# Altium PCB MB1312.PcbDoc (part 4 of 4)
Units mil, origin at the board's own origin, x right, y up, seen from the top; angles counter-clockwise.
Board outline 2755.91 x 5249.6 mil, 6 copper layers (Top Layer, GND, Signal, PWR, GND (Mid2), Bottom Layer), stack 74.545 mil thick; 297 components, 280 nets, 1142 pads, 623 vias.
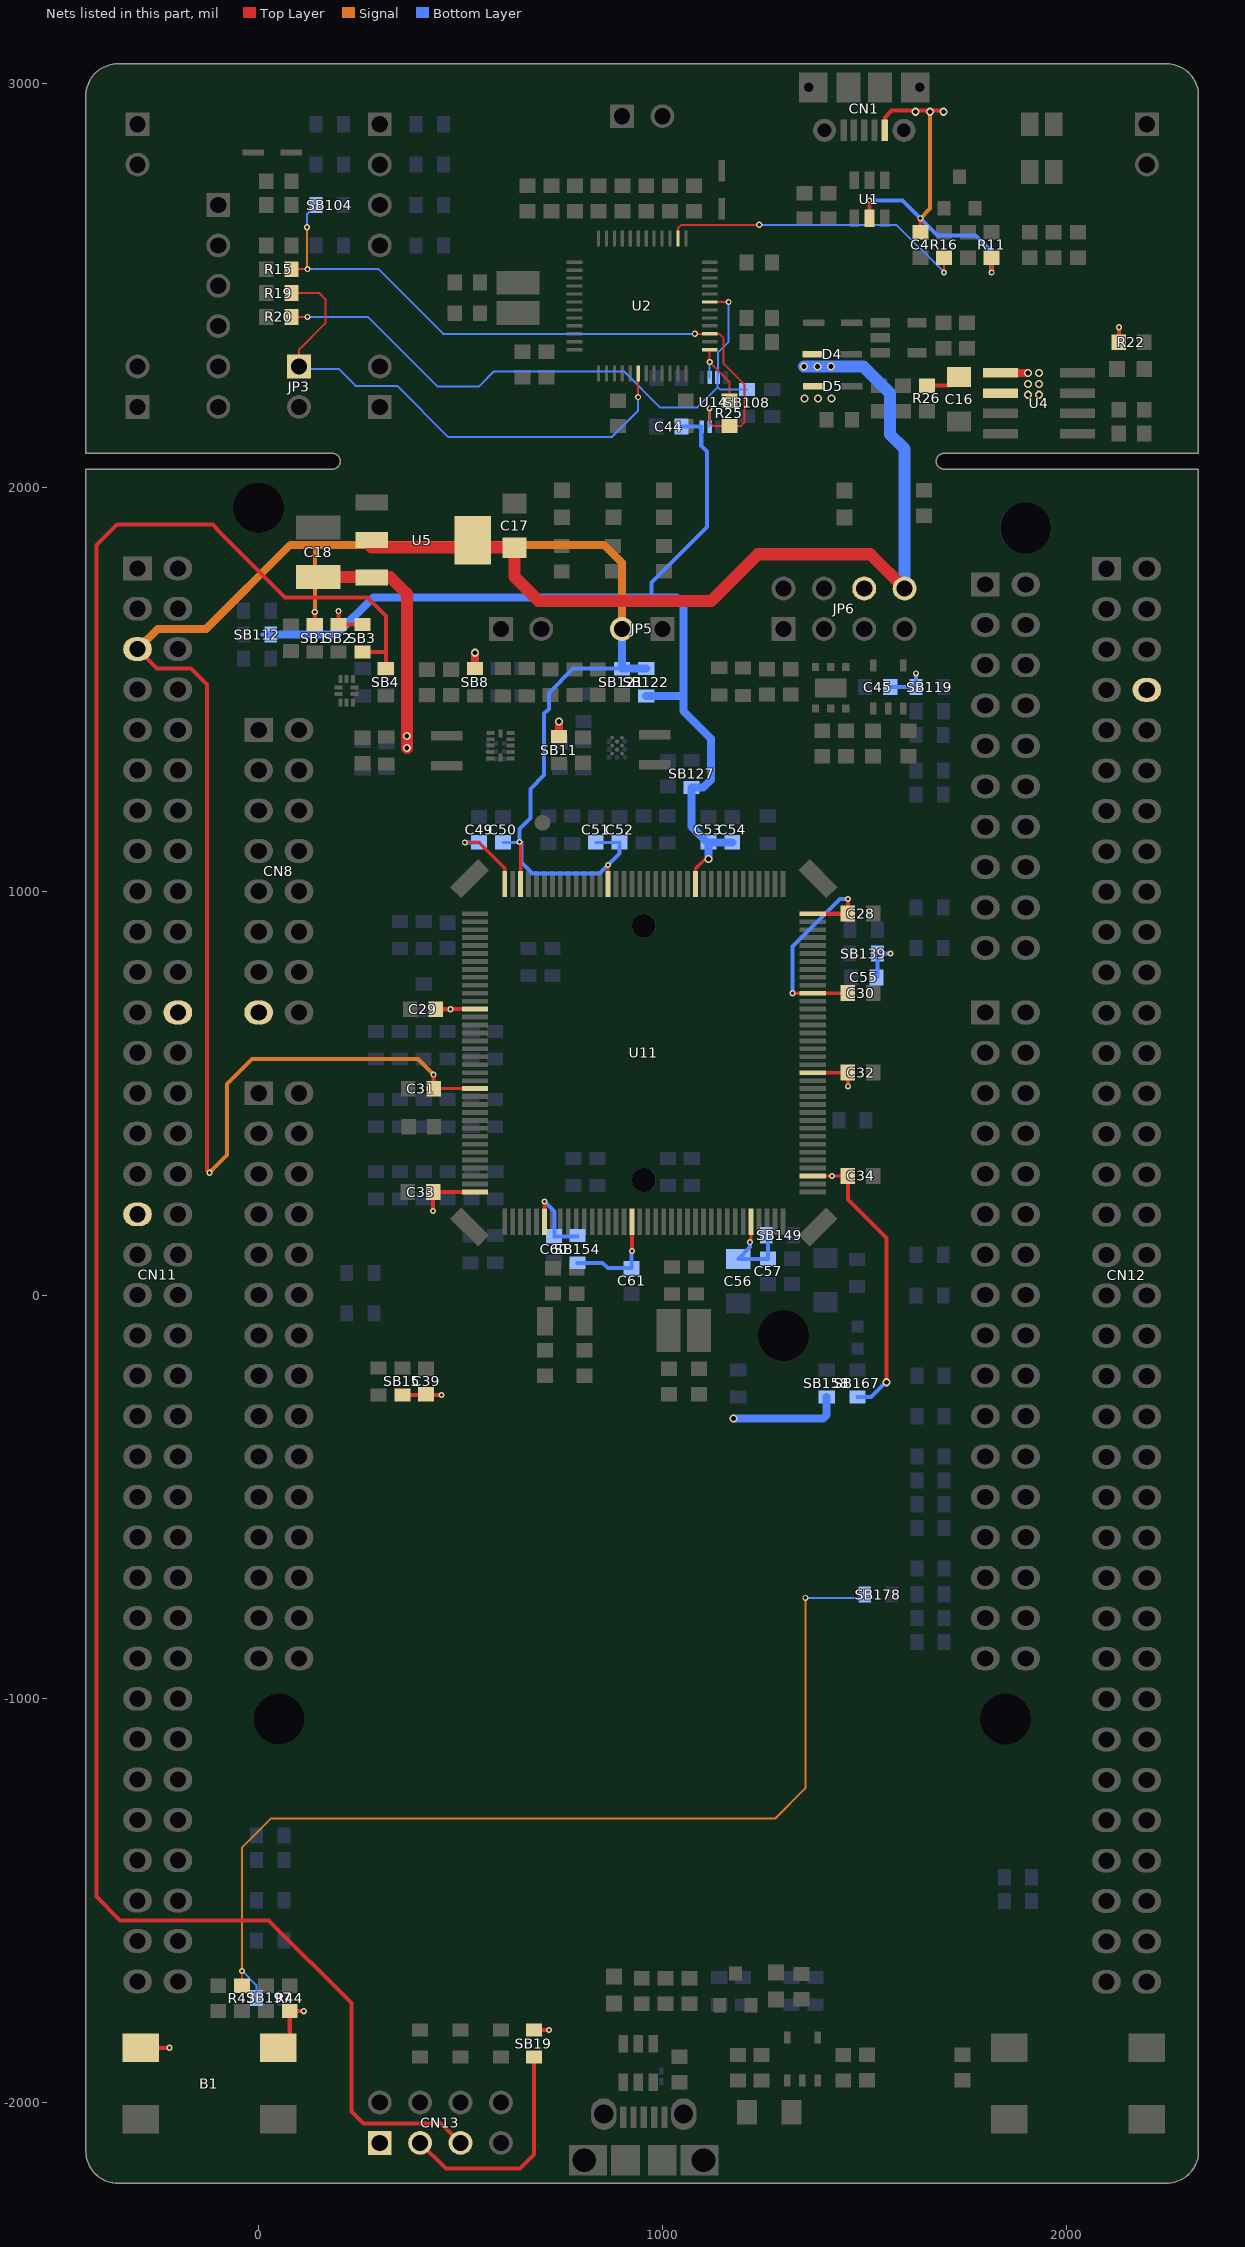
[diagram p8: the nets of this part, all layers, seen from the top]

## Via types
v1: diameter 15, hole 8, Top Layer to Bottom Layer, tented both sides, 405 vias
v2: diameter 16, hole 8, Top Layer to Bottom Layer, tented both sides, 179 vias
v3: diameter 20, hole 12, Top Layer to Bottom Layer, tented both sides, 39 vias

## Nets (pads, with @x,y where several pads share a name; then routed paths per layer and width w, separated by ;. In a path a pad name is that pad's centre, name@x,y a point inside that pad or via, vN(x,y) a via of type N, cw(c..) or ccw(c..) an arc to the next point about the centre after c; other vN are vias at no path point) (continued)
T_JTMS: R15.2 R25.2 SB104.1 U2.27 U14.7 | length 1711.1
  Top Layer w5: R15.2@81.5,2541 v1(121,2541) ; v1@1080.25,2381 v1(1080.35,2381.1) U2.27@1117.32,2381.1 1140.9,2381.1 1151,2371 1151,2308 1203,2256 1203,2161.47 1194.03,2152.5 R25.2@1166,2152.5 1126.5,2152.5 1117,2162 v1(1117,2196)
  Signal w5: v1@120,2542 v1(120,2645)
  Bottom Layer w5: v1(120,2645) 120,2677.75 SB104.1@142.25,2700 ; v1(121,2541) 297,2541 456.9,2381.1 v1(1080.35,2381.1) ; v1(1117,2196) 1117.16,2195.84 U14.7@1117.16,2150.98
T_NRST: JP3.1 R19.2 U2.18 | length 1318.5
  Top Layer w5: R19.2@81.5,2482 150,2482 165,2467 165,2407 100,2342 JP3.1@100,2300 ; v1(940,2224) 940.16,2224.16 U2.18@940.16,2282.68
  Bottom Layer w5: JP3.1@100,2300 100,2294.3 198.22,2294.3 240.37,2252.15 342.85,2252.15 470,2125 874,2125 940,2191 v1(940,2224)
T_SWDIO_IN: R25.1 U2.25 U14.2 | length 184.4
  Top Layer w5: U2.25@1117.32,2341.73 v1(1117.32,2310.97) 1166,2262.3 R25.1@1166,2215.5
  Bottom Layer w5: U14.2@1117.16,2273.02 1117.16,2310.81 v1(1117.32,2310.97)
T_SWO: R20.2 SB108.2 U2.31 U14.3 | length 1543.9
  Top Layer w5: R20.2@81.5,2423 v1(121,2423) ; U2.31@1117.32,2459.84 v1(1164.16,2459.84)
  Bottom Layer w5: v1(121,2423) 270.69,2423 442.69,2251 546,2251 583,2288 905,2288 994,2199 1086.84,2199 1136.84,2249 ; v1(1164.16,2459.84) 1164.16,2361.16 1137.32,2334.32 1137.32,2273.5 U14.3@1136.84,2273.02 1136.84,2249 ; SB108.2@1210,2243.5 1142.34,2243.5 1136.84,2249
U5V: C4.2 C16.1 CN1.1 CN12.8 D5.1 JP6.6 R11.2 R22.1 R26.1 U1.5 U4.1 U4.2 | length 1171.5
  Top Layer w10: U1.5@1513,2666.76 v1(1513,2711) ; CN1.1@1551.18,2885 1551.18,2917.18 1568,2934 v3@1696,2934 ; C4.2@1639,2632.5 v1(1639,2667) ; R26.1@1655,2252.5 1713.5,2252.5 C16.1@1735,2274 ; v1(1815.7,2533) R11.2@1815.7,2569.5 ; R22.1@2130.5,2360 v2@2130.5,2396.5
  Top Layer w20: U4.1@1837.53,2284 v3@1905.25,2284
  Signal w10: v1(1639,2667) 1663,2691 v3(1663,2931)
  Bottom Layer w10: v1(1513,2711) 1595,2711 v1(1639,2667) 1681,2625 1775,2625 1815.7,2584.3 v1@1815.7,2537.3 ; v3(1696,2931) v3@1696,2934
  other v2: 2131,2397
  other v3: 1352,2221 1385.5,2221 1419,2221 1906,2230 1933,2230 1906,2257 1933,2257 1906,2284 1933,2284 1627,2931
USB_RENUMN: R16.2 U2.38 | length 773.2
  Top Layer w5: U2.38@1038.58,2617.32 1038.58,2642.58 1047,2651 v2(1239.75,2651) ; v1(1697.7,2533) R16.2@1697.7,2569.5
  Bottom Layer w5: v2(1239.75,2651) 1579.7,2651 v1(1697.7,2533)
USR_BUT: R43.2 SB178.1 SB197.2 | length 2517.6
  Top Layer w5: R43.2@-41,-1710.5 v1(-41,-1674)
  Signal w5: v1(-41,-1674) -41,-1368 30,-1297 1279.06,-1297 1354.06,-1222 v1(1354.06,-750)
  Bottom Layer w5: v1(-41,-1674) -5.75,-1709.25 SB197.2@-5.75,-1741 ; v1(1354.06,-750) 1520,-750
VBAT: C60.1 CN11.33 SB154.2 U11.6 | length 204.2
  Top Layer w10: U11.6@707.94,181.69 v1(707.94,231.94)
  Bottom Layer w10: v1(707.94,231.94) 733.25,206.62 733.25,145.25 SB154.2@790,145.25
VDD: C31.1 C50.1 C51.1 C52.1 CN11.5 CN13.1 JP5.2 SB1.2 SB8.2 SB121.1 SB122.1 SB158.1 U11.95 U11.106 U11.131 | length 5734.1
  Top Layer w8: C31.1@434.08,511.42 U11.131@535.69,511.42 ; v1(646,1122) 649.48,1118.52 U11.106@649.48,1018.91 ; U11.106@648.2,1020.19 U11.106@649.48,1018.91 ; U11.106@648.88,1018.31 U11.106@649.48,1018.91 ; U11.95@865.42,1018.31 v1(865.42,1065.58)
  Top Layer w10: CN11.5@-300,1600 -251.5,1551.5 -167,1551.5 -128,1512.5 -128,309 v1(-122,303) ; SB1.2@139,1660.75 v1(139,1691.75) ; v1@433,546.01 433.5,546.5 C31.1@433.5,511 ; U11.131@535.11,512 U11.131@535.69,511.42
  Top Layer w20: SB8.2@536,1551.5 v3(536,1591)
  Signal w10: v1@-122,300 v1(-122,303) -78,347 -78,523 -16.55,584.45 394.55,584.45 v1(433,546) ; v1(139,1691.75) 139,1856.12
  Signal w20: CN11.5@-300,1600 -250,1650 -130,1650 78.4,1858.4 855.6,1858.4 900,1814 JP5.2@900,1650
  Bottom Layer w8: C50.1@605,1121.25 v1@649.48,1121.25 ; C51.1@835,1121.25 C52.1@894,1121.25
  Bottom Layer w10: C52.1@894,1121.25 894,1094.17 v1(865.42,1065.58) 844.33,1044.5 677.92,1044.5 650.48,1071.94 650.48,1120.52 649,1122 v1(646,1122) 646,1155 673,1182 673,1253.81 707,1287.81 707,1440 719,1452 719,1491.75 779,1551.75 SB121.1@899.79,1551.75 SB121.1@900.21,1551.75
  Bottom Layer w20: JP5.2@900,1650 900,1551.96 900.21,1551.75 SB122.1@960,1551.75 ; v3(1176,-306.03) 1397.97,-306.03 1407,-297 SB158.1@1407,-252.75
VDD_1V2: C39.2 C55.2 SB2.2 SB3.1 SB11.2 SB15.2 SB139.2 | length 318.4
  Top Layer w10: SB2.2@197.77,1660.81 v1@197.77,1693.87 ; SB2.2@197.83,1660.75 SB3.1@257,1660.75 ; SB15.2@356,-247.75 v1(453,-247.75)
  Top Layer w20: SB11.2@744,1383.75 v3(744,1421)
  Bottom Layer w10: C55.2@1530.5,787 1532.75,789.25 SB139.2@1532.75,846 v1(1564.75,846)
  other v1: 197.83,1693.92
VDD_MCU: B1.2 B1.3 C28.1 C29.1 C30.1 C32.1 C33.1 C34.1 C44.1 C49.1 C53.1 C54.1 C61.1 R44.1 SB19.2 SB112.1 SB122.2 SB127.2 SB154.1 SB167.1 U11.17 U11.39 U11.52 U11.62 U11.72 U11.84 U11.108 U11.121 U11.144 U14.8 | length 4914.8
  Top Layer w8: v1(510.57,1121.25) 545.53,1121.25 609.51,1057.27 U11.108@609.51,1018.31 ; U11.84@1081.95,1018.31 1081.95,1056.33 1105.62,1080 v3(1114,1080) ; v1(1322.26,747.64) U11.62@1372.31,747.64 C30.1@1459.14,747.64 ; U11.39@1372.31,294.88 v1(1419.88,294.88) ; U11.52@1372.31,550.79 C32.1@1459.29,550.79 ; v1@1419.88,295 C34.1@1459.5,295
  Top Layer w10: B1.2@-292.28,-1864.42 v1(-220.58,-1864.42) ; B1.3@48.28,-1864.42 77,-1835.69 R44.1@77,-1773.5 v2(111.5,-1773.5) ; v1(432,208) 432,254.5 C33.1@432.5,255 433.01,255.51 U11.144@535.69,255.51 ; C29.1@438.5,708 v1(475,708) ; v1@475,708.27 U11.121@535.69,708.27 ; SB19.2@682,-1820.25 v1(719.05,-1820.25) ; v1(924.47,109) U11.17@924.47,181.69 ; U11.72@1372.31,944.49 1455.98,944.49 1458,946.5 C28.1@1459.5,945 v1(1459.5,981) ; C30.1@1459.14,747.64 C30.1@1459.5,748 ; C32.1@1459.29,550.79 C32.1@1459.5,551 1460,550.5 v1(1460,517) ; C34.1@1459.5,295 1459.5,236.5 1555,141 1555,-16 v3(1555,-216)
  Bottom Layer w10: 10,1636 SB112.1@30,1636 ; v1(510.57,1121.25) C49.1@546,1121.25 ; SB154.1@790,80 852,80 865.5,66.5 C61.1@924,66.5 924,108.53 v1(924.47,109) ; 973,1728 973,1765 1110,1902 1110,2090 1096.25,2103.75 1096.25,2150.98 C44.1@1047.5,2151 ; v1(1322.26,747.64) 1322.26,863.01 1440.25,981 v1(1459.5,981) ; SB167.1@1483,-252.75 1516.25,-252.75 1553,-216 v3(1555,-216)
  Bottom Layer w20: SB112.1@30,1636 192,1636 284,1728 973,1728 1035,1728 1052,1711 1052,1446.16 1120,1378.16 1120,1276 1101.31,1257.31 SB127.2@1072.47,1257.31 ; SB122.2@960,1484.25 1050,1484.25 ; SB127.2@1072,1248.5 1072,1160.56 1111.31,1121.25 C53.1@1114,1121.25 ; v3(1114,1080) C53.1@1114,1121.25 ; C54.1@1173,1121.25 C53.1@1114,1121.25
VIN: C18.1 CN8.15 CN11.24 U5.3 | length 618.4
  Top Layer w30: C18.1@148,1778.98 325.02,1778.98 367,1737 v3(367,1355)
  other v3: 367,1385
VIN_5V: C17.1 D4.1 JP6.8 U5.2 U5.4 | length 2239.9
  Top Layer w30: U5.2@280,1852 633,1852 C17.1@634,1851 634,1778.47 693.47,1719 1121,1719 1237,1835 1515,1835 JP6.8@1600,1750
  Bottom Layer w30: v3(1351,2300) v3(1384.5,2300) v3(1418,2300) 1497.71,2300 1563.5,2234.21 1563.5,2132.25 1600,2095.75 JP6.8@1600,1750
VOUTCORE: CN13.5 SB3.2 SB4.2 | length 5679.8
  Top Layer w10: SB3.2@257,1593.25 314.75,1593.25 ; SB4.2@315,1551.5 315,1682 269,1728 65,1728 -103.29,1896.29 -103.29,1897.85 -113.54,1908.1 -351.25,1908.1 -402,1857.35 -402,-1490 -343,-1549 25,-1549 230,-1754 230,-2022 260,-2052 452,-2052 CN13.5@500,-2100
VOUTVDD: CN13.3 SB19.1 | length 564.3
  Top Layer w10: CN13.3@400,-2100 464,-2164 647,-2164 682,-2129 SB19.1@682,-1887.75
VREF+: C45.1 C56.1 C57.1 SB119.1 SB149.2 U11.32 | length 337.6
  Top Layer w8: v1(1217,131) 1219.75,133.75 U11.32@1219.75,181.69
  Bottom Layer w10: v1(1217,131) 1217,118.5 C56.1@1188,89.5 1261.5,89.5 1261.5,143.75 SB149.2@1257.25,148 ; C45.1@1564.75,1506 SB119.1@1628.5,1506 1628.5,1539.5 v1(1628,1540) v1@1628.39,1540.39
pads on no net: CN8.1 CN11.10 CN11.26 CN11.67 U2.4 U2.11 U2.14 U2.19 U2.21 U2.22 U2.40 U2.41 U2.42 U2.43 U2.45 U2.46 U6.3 U6.5 U7.1 U7.6 U10.E1 U11.0 U16.C1
copper on no net:
  other v1: 1115.9,2629

## Polygon pours and split planes (outlines as drawn)
GND on Top Layer "GND" (solid, remove dead copper, pour order 268): -430.95,-2118.26 ccw(c-352.21,-2118.26) -352.21,-2197 -352.21,-2197.04 45,-2197.04 1040.41,-2197.04 2246.06,-2197.04 ccw(c2246.06,-2118.3) 2324.8,-2118.3 2324.8,-2118.1 2324.95,-2118.1 2324.95,2973.87 ccw(c2246.21,2973.87) 2246.21,3052.61 -352.21,3052.61 ccw(c-352.21,2973.87) -430.95,2973.87 -430.95,-2118.26
NetL1_1 on Top Layer "NETL301" (solid, remove dead copper, pour order 248): 567,1366.69 583.36,1366.69 cw(c583.36,1364.05) 586,1364.05 586,1357.21 cw(c584.96,1357.21) 584.96,1356.17 517.25,1356.17 cw(c517.25,1361.25) 512.17,1361.25 512.17,1364.83 ccw(c504,1364.83) 504,1373 399.17,1373 cw(c399.17,1382) 390.17,1382 390.17,1414.76 cw(c396.41,1414.76) 396.41,1421 501.98,1421 cw(c501.98,1417.53) 505.45,1417.53 505.45,1398.64 ccw(c506.85,1398.64) 506.85,1397.24 551,1366.69
NetC21_2 on Top Layer "NETL308" (solid, remove dead copper, pour order 246): 253,1335 346,1335 cw(c346,1331) 350,1331 ccw(c359,1331) 359,1322 435,1322 550.18,1322 ccw(c550.18,1329) 557.18,1329 cw(c562.18,1329) 562.18,1334 566,1334 579.96,1334 cw(c579.96,1329) 584.96,1329 584.96,1286.96 cw(c573,1286.96) 573,1275 245,1275 cw(c245,1287) 233,1287 233,1329.17 cw(c238.83,1329.17) 238.83,1335
NetC22_2 on Top Layer "NETL306" (solid, remove dead copper, pour order 242): 400,1504 488.73,1504 546,1504 cw(c546,1494) 556,1494 556,1389 ccw(c563,1389) 563,1382 583,1382 cw(c583,1379) 586,1379 586,1373.05 cw(c583.95,1373.05) 583.95,1371 556,1371 556,1371.24 555.27,1371.97 551,1371.97 544.23,1371.97 520.36,1395.85 512.53,1403.67 512.53,1410 512.25,1410 512.25,1424 512.25,1459 ccw(c508.24,1459) 508.24,1463.01 402.99,1463.01 cw(c402.99,1471) 395,1471 395,1503 cw(c396,1503) 396,1504
NetL1_1 on Top Layer "NETL301" (solid, remove dead copper, pour order 240): 584.2,1365.85 cw(c584.2,1364.05) 586,1364.05 586,1362 586,1357.82 cw(c584.18,1357.82) 584.18,1356 531.71,1356 cw(c531.71,1361) 526.71,1361 ccw(c514.82,1361) 514.82,1372.89 509,1372.89 396.32,1372.89 cw(c396.32,1379.21) 390,1379.21 390,1413 cw(c398,1413) 398,1421 500,1421 cw(c500,1415) 506,1415 506,1400.04 ccw(c511.04,1400.04) 511.04,1395 550,1365.85
NetC46_2 on Top Layer "SB368" (solid, remove dead copper, pour order 236): 594.54,1344.39 604.37,1344.39 cw(c604.37,1340.99) 607.76,1340.99 607.76,1312.18 ccw(c613.83,1312.18) 613.83,1306.12 694.12,1306.12 ccw(c694.12,1312) 700,1312 700,1331.24 cw(c705.01,1331.24) 705.01,1336.25 763.16,1336.25 cw(c763.16,1331.41) 768,1331.41 768,1293.5 cw(c757.83,1293.5) 757.83,1283.33 598.88,1283.33 cw(c598.88,1290.21) 592,1290.21 592,1341.86 cw(c594.54,1341.86) 594.54,1344.39
NetC24_1 on Top Layer "304" (solid, remove dead copper, pour order 204): 820,1506.75 cw(c822.25,1506.75) 822.25,1509 908.79,1509 919.74,1509 cw(c919.74,1504) 924.74,1504 924.74,1459.49 cw(c921.25,1459.49) 921.25,1456 918.18,1456 ccw(c918.18,1450) 912.18,1450 912.18,1389.18 cw(c888,1389.18) 888,1365 887,1365 cw(c887,1371) 881,1371 881,1448.26 ccw(c870.26,1448.26) 870.26,1459 825,1459 cw(c825,1464) 820,1464
NetL2_1 on Top Layer "300" (solid, remove dead copper, pour order 202): 900,1366 ccw(c900,1361) 895,1361 ccw(c900,1361) 900,1356 911.25,1356 ccw(c911.25,1358) 913.25,1358 cw(c921.25,1358) 921.25,1366 922,1366 1017.98,1366 ccw(c1017.98,1371.25) 1023.23,1371.25 1023.23,1420.77 ccw(c1017,1420.77) 1017,1427 926,1427 ccw(c926,1421) 920,1421 920,1390.92 cw(c919.08,1390.92) 919.08,1390 900,1366
NetC47_2 on Top Layer "304" (solid, remove dead copper, pour order 200): 908,1346 895,1346 ccw(c895,1343) 892,1343 892,1306 ccw(c899,1306) 899,1299 1021,1299 ccw(c1021,1302) 1024,1302 1024,1342 ccw(c1017,1342) 1017,1349 941,1349 ccw(c941,1345) 937,1345 937,1344.4 cw(c930.6,1344.4) 930.6,1338 916,1338 cw(c916,1346) 908,1346
NetC21_2 on Bottom Layer "NETL308" (solid, remove dead copper, pour order 252): 433.3,1305.76 427.65,1305.76 ccw(c427.65,1300.55) 422.44,1300.55 422.44,1274.81 ccw(c428.28,1274.81) 428.28,1268.97 575.49,1268.97 ccw(c575.49,1290.76) 597.28,1290.76 597.28,1328.48 ccw(c591.76,1328.48) 591.76,1334 585.04,1334 ccw(c585.04,1329.4) 580.44,1329.4 580.44,1309.92 cw(c574.6,1309.92) 574.6,1304.08 431.29,1304.08 ccw(c431.29,1294.81) 422.01,1294.81
NetL2_1 on Bottom Layer "300" (solid, remove dead copper, pour order 158): 948.29,1427.3 1016.09,1427.3 cw(c1016.09,1421.39) 1022,1421.39 1022,1394.4 cw(c1016,1394.4) 1016,1388.4 942.4,1388.4 ccw(c942.4,1383) 937,1383 937,1372 cw(c929,1372) 929,1364 904,1364 cw(c904,1369) 899,1369 899,1379.82 cw(c899.97,1379.82) 899.97,1380.78 910.87,1380.78 ccw(c910.87,1389) 919.08,1389 919.08,1416.33 cw(c930.01,1416.33) 930.01,1427.26
NetC24_1 on Bottom Layer "300" (solid, remove dead copper, pour order 159): 786,1504.25 907.29,1504.25 cw(c907.29,1491.75) 919.79,1491.75 919.79,1452.79 cw(c911,1452.79) 911,1444 ccw(c911,1431) 898,1431 898,1393.21 898,1369.11 cw(c893,1369.11) 893,1364.11 860.83,1364.11 cw(c860.83,1365.94) 859,1365.94 859,1457 ccw(c846,1457) 846,1470 796,1470 cw(c796,1481) 785,1481
NetL1_1 on Bottom Layer "304" (solid, remove dead copper, pour order 184): 601,1369 601,1361 ccw(c602,1361) 602,1360 624.75,1360 ccw(c624.75,1363.25) 628,1363.25 628,1392.61 ccw(c623,1392.61) 623,1397.61 617.52,1397.61 cw(c617.52,1401.12) 614,1401.12 614,1448.19 ccw(c608.19,1448.19) 608.19,1454 428.07,1454 ccw(c428.07,1447.81) 421.88,1447.81 421.88,1395.55 ccw(c433,1395.55) 433,1384.44 508.44,1384.44 ccw(c508.44,1392) 516,1392 516,1420.48 cw(c528.52,1420.48) 528.52,1433 565,1433 cw(c565,1425) 573,1425 595.53,1391 599,1378
NetC47_2 on Bottom Layer "303" (solid, remove dead copper, pour order 216): 880,1335 879,1334 879,1328
NetC47_2 on Bottom Layer "303" (solid, remove dead copper, pour order 218): 879,1324.81 879,1336 cw(c882,1336) 882,1339 891.5,1339 cw(c891.5,1334.5) 896,1334.5 896,1324.55 ccw(c898,1324.55) 898,1322.55 937.55,1322.55 ccw(c937.55,1326) 941,1326 941,1353 cw(c948,1353) 948,1360 1083,1360 cw(c1083,1349) 1094,1349 1094,1306.33 cw(c1092.47,1306.33) 1092.47,1304.81 881.19,1304.81 cw(c881.19,1307) 879,1307
GND on Bottom Layer "GND" (solid, remove dead copper, pour order 262): -423.96,-2121.26 ccw(c-345.22,-2121.26) -345.22,-2200 -345.22,-2200.04 51.99,-2200.04 1047.4,-2200.04 2253.05,-2200.04 ccw(c2253.05,-2121.3) 2331.79,-2121.3 2331.79,-2121.1 2331.94,-2121.1 2331.94,2970.87 ccw(c2253.2,2970.87) 2253.2,3049.61 -345.22,3049.61 ccw(c-345.22,2970.87) -423.96,2970.87 -423.96,-2121.26
GND on Signal "GND" (solid, remove dead copper, pour order 156): -427.95,-2121.26 ccw(c-349.21,-2121.26) -349.21,-2200 -349.21,-2200.04 48,-2200.04 1043.41,-2200.04 2249.06,-2200.04 ccw(c2249.06,-2121.3) 2327.8,-2121.3 2327.8,-2121.1 2327.95,-2121.1 2327.95,2970.87 ccw(c2249.21,2970.87) 2249.21,3049.61 -349.21,3049.61 ccw(c-349.21,2970.87) -427.95,2970.87 -427.95,-2121.26
GND on GND "GND" (solid, remove dead copper, pour order 142): -427.95,-2121.26 ccw(c-349.21,-2121.26) -349.21,-2200 -349.21,-2200.04 48,-2200.04 1043.41,-2200.04 2249.06,-2200.04 ccw(c2249.06,-2121.3) 2327.8,-2121.3 2327.8,-2121.1 2327.95,-2121.1 2327.95,2970.87 ccw(c2249.21,2970.87) 2249.21,3049.61 -349.21,3049.61 ccw(c-349.21,2970.87) -427.95,2970.87 -427.95,-2121.26
U5V on PWR "U5V" (solid, remove dead copper, pour order 266): 1804,2246.47 1371.47,2246.47 ccw(c1371.47,2201) 1326,2201 1326,2081.52 ccw(c1358.52,2081.52) 1358.52,2049 1440.91,2049 cw(c1440.91,2026) 1463.91,2026 1463.91,1632.84 ccw(c1490,1632.84) 1490,1606.74 1683.69,1606.74 cw(c1683.69,1581.39) 1709.04,1581.39 1709.04,1381.76 ccw(c1735,1381.76) 1735,1355.8 2299.8,1355.8 ccw(c2299.8,1370) 2314,1370 2314,2980 ccw(c2254,2980) 2254,3040 1507.05,3040 ccw(c1507.05,3007.95) 1475,3007.95 1475,2850.57 ccw(c1500.57,2850.57) 1500.57,2825 2015,2825 cw(c2015,2725) 2115,2725 2115,2712 2115,2309.51 cw(c2102.51,2309.51) 2102.51,2297.02 1885.48,2297.02 ccw(c1885.48,2281.54) 1870,2281.54 1870,2263.47 cw(c1853,2263.47) 1853,2246.47
NetC11_2 on PWR "netc11_2" (solid, remove dead copper, pour order 264): 1338,2346.79 1195.34,2346.79 ccw(c1195.34,2321) 1169.55,2321 1169.55,1993.05 ccw(c1194.6,1993.05) 1194.6,1968 1330,1968 cw(c1330,1942) 1356,1942 1356,1621 ccw(c1368,1621) 1368,1609 1442.85,1609 ccw(c1442.85,1615.47) 1449.32,1615.47 1449.32,2050.68 ccw(c1410,2050.68) 1410,2090 1329.21,2090 cw(c1329.21,2106) 1313.21,2106 1313.21,2222.8 cw(c1343.36,2222.8) 1343.36,2252.95 1837.95,2252.95 ccw(c1837.95,2277) 1862,2277 1862,2292.43 cw(c1877,2292.43) 1877,2307.43 2082.93,2307.43 ccw(c2082.93,2337) 2112.5,2337 2112.5,2367.46 ccw(c2097.83,2367.46) 2097.83,2382.13 1482.96,2382.13 ccw(c1482.96,2359) 1459.83,2359 cw(c1448.07,2359) 1448.07,2347.25 1438,2347.25
VDD_MCU on PWR "VDDIO" (solid, remove dead copper, pour order 155): 496.27,1394 1151.3,1394 cw(c1151.3,1373) 1172.3,1373 1172.3,872.7 ccw(c1221,872.7) 1221,824 1439.6,824 cw(c1439.6,791) 1472.6,791 1472.6,325.78 cw(c1430,325.78) 1430,283.18 1035.47,283.18 ccw(c1035.47,259.71) 1012,259.71 1012,-148 cw(c956,-148) 956,-204 365.18,-204 ccw(c365.18,-224.18) 345,-224.18 345,-259.71 ccw(c362.29,-259.71) 362.29,-277 1118.68,-277 cw(c1118.68,-299) 1140.68,-299 1140.68,-1877 cw(c1040.68,-1877) 1040.68,-1977 1003,-1977 -396,-1977 cw(c-396,-1947) -426,-1947 -426,-33 cw(c-393,-33) -393,0 696.75,0 ccw(c696.75,35.25) 732,35.25 732,248.31 ccw(c710.31,248.31) 710.31,270 603.29,270 ccw(c603.29,259.71) 593,259.71 593,153.55 cw(c575,153.55) 575,135.55 306.45,135.55 cw(c306.45,156) 286,156 286,579 cw(c309,579) 309,602 456.63,602 ccw(c456.63,624.37) 479,624.37 479,1378 cw(c495,1378) 495,1394
VIN on PWR "VIN" (solid, remove dead copper, pour order 154): -393,1043 -393,1043.38 42.6,1043.38 158.9,1043.38 ccw(c158.9,1059.1) 174.62,1059.1 174.62,1348.05 cw(c215.57,1348.05) 215.57,1389 436.26,1389 cw(c436.26,1356.52) 468.74,1356.52 468.74,627.58 cw(c451,627.58) 451,609.84 -388.73,609.84 cw(c-388.73,637.44) -416.33,637.44 -416.33,1037.71 cw(c-411.04,1037.71) -411.04,1043
VDD on PWR "VDD" (solid, remove dead copper, pour order 152): 477,1754.74 918.16,1754.74 cw(c918.16,1731) 941.9,1731 941.9,1616.7 ccw(c962.6,1616.7) 962.6,1596 1412.99,1596 cw(c1412.99,1560.82) 1448.17,1560.82 1448.17,1044.42 ccw(c1482.59,1044.42) 1482.59,1010 1610.53,1010 cw(c1610.53,989.53) 1631,989.53 1631,176.82 cw(c1612.18,176.82) 1612.18,158 1221,158 ccw(c1221,136) 1199,136 1199,-2193 cw(c1190,-2193) 1190,-2202 -354,-2202 cw(c-354,-2130) -426,-2130 -426,-2011 cw(c-401,-2011) -401,-1986 1046.57,-1986 ccw(c1046.57,-1886) 1146.57,-1886 1146.57,-244.4 1146.57,135.57 cw(c1212,135.57) 1212,201 1551.56,201 ccw(c1551.56,237.44) 1588,237.44 1588,879.09 ccw(c1534.53,879.09) 1534.53,932.57 1372.12,932.57 cw(c1372.12,972.4) 1332.28,972.4 1332.28,1487.18 ccw(c1298.08,1487.18) 1298.08,1521.37 472.75,1521.37 cw(c472.75,1523.15) 470.98,1523.15 cw(c470.98,1550.93) 443.2,1550.93 443.2,1567.63 443.2,1725.2 cw(c473,1725.2) 473,1755
VDD_1V2 on PWR "VDD1V2" (solid, remove dead copper, pour order 151): 225.88,1750 415.82,1750 cw(c415.82,1722.62) 443.2,1722.62 443.2,1553.8 ccw(c474,1553.8) 474,1523 1285.28,1523 cw(c1285.28,1476) 1332.28,1476 1332.28,958.72 ccw(c1363,958.72) 1363,928 1540.2,928 cw(c1540.2,888.4) 1579.8,888.4 1579.8,234.8 cw(c1553,234.8) 1553,208 1185.8,208 ccw(c1185.8,170) 1147.8,170 1147.8,-235.1 cw(c1115.9,-235.1) 1115.9,-267 371.68,-267 cw(c371.68,-254) 358.68,-254 358.68,-220.14 cw(c367,-220.14) 367,-211.82 980.18,-211.82 ccw(c980.18,-175) 1017,-175 1017,224.63 cw(c1055.09,235.31) 1044.4,273.4 1453,273.4 ccw(c1464.49,289.91) 1481,278.43 1481,791 ccw(c1441,791) 1441,831 1223,831 cw(c1223,874) 1180,874 1180,1389.72 ccw(c1168.72,1389.72) 1168.72,1401 215,1401 cw(c215,1441) 175,1441 175,1724 cw(c201,1724) 201,1750
VBAT on PWR "VBAT" (solid, remove dead copper, pour order 150): 268,572.37 ccw(c245.37,572.37) 245.37,595 229.43,595 -394,595 ccw(c-394,566) -423,566 -423,26 ccw(c-407,26) -407,10 695.9,10 ccw(c695.9,38) 723.9,38 723.9,246.67 ccw(c708,246.67) 708,262.56 606.87,262.56 ccw(c606.87,259) 603.31,259 603.31,148.71 cw(c580.6,148.71) 580.6,126 283.23,126 cw(c283.23,131.23) 278,131.23 278,575.55 ccw(c263,575.55) 263,590.55
E5V on PWR "E5V" (solid, remove dead copper, pour order 147): 915,2043 -408,2043 ccw(c-408,2026) -425,2026 -425,1572.31 ccw(c-407.69,1572.31) -407.69,1555 -117.3,1555 ccw(c-117.3,1581.69) -90.61,1581.69 -90.61,1802.66 cw(c-63.27,1802.66) -63.27,1830 95,1830 ccw(c95,1847) 112,1847 112,1850.84 cw(c139.16,1850.84) 139.16,1878 1223,1878 cw(c1223,1858) 1243,1858 1243,1618.89 ccw(c1257.13,1615.94) 1254.19,1601.81 1339,1601.81 ccw(c1334.78,1614.03) 1347,1618.26 1347,1937.96 ccw(c1327.96,1937.96) 1327.96,1957 1178.27,1957 cw(c1178.27,1976.04) 1159.23,1976.04 1159.23,2325.93 cw(c1189,2325.93) 1189,2355.7 1437.98,2355.7 ccw(c1437.98,2367.72) 1450,2367.72 1450,2422.82 ccw(c1437.82,2422.82) 1437.82,2435 1117.66,2435 ccw(c1117.66,2413) 1095.66,2413 1095.66,2047.66 cw(c1091,2047.66) 1091,2043
+3V3 on PWR "3V3" (solid, remove dead copper, pour order 146): -166,1549 -410.3,1549 ccw(c-410.3,1534.3) -425,1534.3 -425,1078 ccw(c-399,1078) -399,1052 144.41,1052 ccw(c144.41,1072.59) 165,1072.59 165,1704.88 cw(c226.12,1704.88) 226.12,1766 925.97,1766 cw(c925.97,1743.65) 948.32,1743.65 948.32,1622.03 ccw(c966.35,1622.03) 966.35,1604 1213.5,1604 ccw(c1213.5,1625.5) 1235,1625.5 1235,1856.66 ccw(c1219.66,1856.66) 1219.66,1872 144.26,1872 ccw(c144.26,1847) 119.26,1847 119.26,1842.95 cw(c100.74,1842.95) 100.74,1824.44 -59.43,1824.44 ccw(c-59.43,1798.87) -85,1798.87 -85,1577 cw(c-113,1577) -113,1549
+3V3_ST_LINK on PWR "ST_3V3" (solid, remove dead copper, pour order 143): -335,3037 -353,3037 ccw(c-353,2975) -415,2975 -415,2107 ccw(c-406,2107) -406,2098 1080.53,2098 ccw(c1080.53,2104.47) 1087,2104.47 1087,2418.35 cw(c1109.65,2418.35) 1109.65,2441 1443.76,2441 cw(c1443.76,2428.46) 1456.3,2428.46 1456.3,2396.7 ccw(c1463,2396.7) 1463,2390 2096.07,2390 ccw(c2096.07,2399) 2105.07,2399 2105.07,2714 ccw(c2005.07,2714) 2005.07,2814 1996,2814 1488,2814 cw(c1488,2832) 1470,2832 1470,3022.06 ccw(c1455,3022.06) 1455,3037.06 -335,3037.06
VREF+ on PWR "REFER" (solid, remove dead copper, pour order 226): 1485.32,1602 1661.57,1602 cw(c1661.57,1570) 1693.57,1570 1693.57,109.07 cw(c1683.5,109.07) 1683.5,99 1213.63,99 cw(c1213.63,110) 1202.63,110 1202.63,135.63 cw(c1220,135.63) 1220,153 1618.74,153 ccw(c1618.74,170) 1635.74,170 1635.74,996.26 ccw(c1615,996.26) 1615,1017 1479.61,1017 cw(c1479.61,1044) 1452.61,1044 1452.61,1581.61 cw(c1473,1581.61) 1473,1602
AVDD on PWR "AVDD" (solid, remove dead copper, pour order 228): 1752,797.4 1949.6,797.4 cw(c1949.6,775) 1972,775 1972,669 cw(c1963,669) 1963,660 1768,660 ccw(c1768,637) 1745,637 1745,563.55 ccw(c1763.55,563.55) 1763.55,545 1826,545 cw(c1826,522) 1849,522 1849,38.27 cw(c1797,38.27) 1797,-13.73 1213.36,-13.73 cw(c1213.36,-3) 1202.63,-3 1202.63,79.36 cw(c1214,79.36) 1214,90.73 1690.23,90.73 ccw(c1690.23,102.5) 1702,102.5 1702,772 cw(c1728,772) 1728,798
AGND on PWR "AGND" (solid, remove dead copper, pour order 230): 1742,1344.24 2286.76,1344.24 cw(c2286.76,1313) 2318,1313 2318,-2121 cw(c2247,-2121) 2247,-2192 1236.73,-2192 cw(c1236.73,-2163.27) 1208,-2163.27 1208,-36 cw(c1222,-36) 1222,-22 1798,-22 ccw(c1798,35) 1855,35 1855,534.28 ccw(c1836,534.28) 1836,553.28 1769.43,553.28 cw(c1769.43,570) 1752.72,570 1752.72,629.81 cw(c1776.18,629.81) 1776.18,653.27 1962.27,653.27 ccw(c1962.27,673) 1982,673 1982,776 ccw(c1953,776) 1953,805 1727.75,805 cw(c1727.75,829.75) 1703,829.75 1703,1302.27 cw(c1744,1302.27) 1744,1343.27
GND on GND (Mid2) "GND" (solid, remove dead copper, pour order 140): -427.95,-2121.26 ccw(c-349.21,-2121.26) -349.21,-2200 -349.21,-2200.04 48,-2200.04 1043.41,-2200.04 2249.06,-2200.04 ccw(c2249.06,-2121.3) 2327.8,-2121.3 2327.8,-2121.1 2327.95,-2121.1 2327.95,2970.87 ccw(c2249.21,2970.87) 2249.21,3049.61 -349.21,3049.61 ccw(c-349.21,2970.87) -427.95,2970.87 -427.95,-2121.26

## Keep-outs
Keep-Out Layer:
  lines w5: -349.37,-2200.04 1040,-2200.04 ; -349.21,-2200 cw(c-349.21,-2121.26) -427.95,-2121.26 -427.95,2045.67 182.28,2045.67 ccw(c182.28,2065.35) 182.28,2085.04 -427.95,2085.04 -427.95,2970.87 cw(c-349.21,2970.87) -349.21,3049.61 2249.21,3049.61 cw(c2249.21,2970.87) 2327.95,2970.87 ; 1598,-2200.04 2249.06,-2200.04 ; 2249.06,-2199.84 ccw(c2249.06,-2121.1) 2327.8,-2121.1 ; 2327.95,-2121.26 2327.95,2045.67 1698.03,2045.67 cw(c1698.03,2065.35) 1698.03,2085.04 2327.95,2085.04 2327.95,2970.87 ; 2327.95,2970.87 2327.95,2970.87 ; 320.08,2045.67 cw(c320.08,2065.35) 320.08,2085.04 1068.11,2085.04 cw(c1068.11,2065.35) 1068.11,2045.67 320.08,2045.67 ; 1250,2045.67 cw(c1250,2065.35) 1250,2085.04 1538.58,2085.04 cw(c1538.58,2065.35) 1538.58,2045.67 1250,2045.67

## Other copper
Top Layer:
  rectangle net U5V: 1341,2209 1431,2264
  rectangle net E5V: 1341,2366 1431,2421
  rectangle net NetC11_2: 1957,2330 2071,2384
  rectangle net U5V: 1703,2216 1946,2300
  rectangle net +3V3_ST_LINK: 1606,2386 1843,2436.06
  rectangle net VIN_5V: 1340,2288 1430,2343
  pour cut-out: 1775,2169 1784.22,2169 1784.22,2175 1775,2175
  pour cut-out: 1695,2169 1695,2176 1684.53,2176 1684.53,2169
GND:
  pour cut-out: 1009,-1093.17 1009,-1503 1384.68,-1503 1384.68,-1093 1383,-1093
GND (Mid2):
  pour cut-out: 1009,-1093.17 1009,-1503 1384.68,-1503 1384.68,-1093 1383,-1093

## Silkscreen, mask and mechanical layers (free items; w line width, h text height)
Top Overlay:
  drawing of 1972 lines, arcs and shapes, not listed
  text "USB PWR" at 1256,3034 h40 r270
  text "GND" at -227,2916 h40 r270
  text "COM" at 1819,2906 h60 r270
  text "GND" at 2088,2899.94 h40 r270
  text "ST-LINK" at 127,2825 h40 r270
  text "NUCLEO" at 434,2825 h40 r270
  text "SWD" at -220,2567 h40 r270
  text "STLK_RST" at -417,2385 h36
  text "MCU_RST" at 185,2338 h36 r270
  text "TX" at 368,2282 h40
  text "Over Current" at 2087,2229 h40
  text "RX" at 369,2182 h40
  text "User LEDs" at 1133,2023 h40 r270
  text "PWR" at 1368,2014 h40 r270
  text "E5V" at 1219.75,1817 h40
  text "STLK" at 1335,1817 h40
  text "CHGR" at 1472,1817 h40
  text "VIN" at 1632.25,1816 h40
  text "SCL" at 1958.06,1773 h45
  text "USB_IO" at 546,1723 h40
  text "D15" at 1962,1719 h40
  text "IDD" at 912.7,1718 h40
  text "PG5" at 767,1696 h40 r270
  text "SDA" at 1958.06,1669 h45
  text "I2S_A" at 1673,1659 h40 r270
  text "D14" at 1962,1618 h40
  text "VREF+" at 1965,1533 h30
  text "GND" at 1962,1438 h40
  text "NC" at -129.2,1385 h40
  text "SCK" at 1958,1383 h45
  text "IOREF" at -189,1349 h40 r315
  text "D13" at 1962,1338 h35
  text "I2S_B" at 1693,1323 h40 r270
  text "MISO" at 1958,1290 h45
  text "NRST" at -188,1250 h40 r315
  text "D12" at 1962,1247 h35
  text "SDMMC" at 182.29,1240 h40 r270
  text "PWM" at 1958,1199 h45
  text "MOSI" at 1958,1164 h45
  text "3V3" at -157,1130 h40 r315
  text "D11" at 1962,1122 h35
  text "PWM" at 1958,1079 h45
  text "SPI_B" at 1681,1047 h40 r270
  text "CS" at 1958,1042 h45
  text "D10" at 1962,997 h35
  text "5V" at -129.01,982 h40
  text "PWM" at 1958,947 h45
  text "GND" at -159.72,919.13 h38 r315
  text "D9" at 1962,905 h35
  text "D8" at 1962,832 h40
  text "GND" at -160.72,817.25 h38 r315
  text "IO" at 198,766 h40 r270
  text "D7" at 1962,691 h40
  text "AVDD" at 1596,688 h40
  text "VIN" at -133.58,681 h40
  text "PWM" at 1958.06,622.84 h45
  text "AGND" at 1591.81,587 h40
  text "D6" at 1962,570 h40
  text "PWM" at 1958.06,512 h45
  text "GND" at 1631.61,486 h40
  text "A0" at -129.39,482 h40
  text "D5" at 1962,465 h40
  text "A1" at -112.25,390 h40
  text "USART" at 187,385 h40 r270
  text "D4" at 1962,381 h40
  text "ADC_IN" at 1667,330 h40 r270
  text "PWM" at 1958.06,311 h45
  text "A2" at -129.39,285 h40
  text "D3" at 1962,260 h40
  text "A3" at -129.39,189 h40
  text "D2" at 1962,180 h40
  text "TX" at 1958.06,118 h45
  text "A4" at -131.29,90 h40
  text "D1" at 1962,71 h40
  text "RX" at 1958.06,12.25 h45
  text "A5" at -129.39,-12 h40
  text "GND" at 164,-19 h40
  text "D0" at 1962,-37 h40
  text "COMP" at -142,-94 h40 r270
  text "QSPI" at 1657.48,-156 h40 r270
  text "SAI_A" at 187,-173 h40 r270
  text "I2C" at -128,-372 h40 r270
  text "TIMER" at 1998,-424 h40 r270
  text "SAI_B" at 193,-577 h40 r270
  text "GND" at -151,-579 h38 r315
  text "GND" at 1631.61,-617 h40
  text "CAN" at -148,-701 h40 r270
  text "MB1312A" at 444,-705.79 h40
  text "TIMER" at 1659.5,-730 h40 r270
  text "www.st.com/stm32nucleo" at 447,-790.79 h60
  text "IO" at -100.78,-926 h40
  text "IO" at 173,-928 h40
  text "GND" at -314,-1811 h50
  text "GND" at 2087,-1811 h50
  text "USER" at -190,-2164 h40
  text "RESET" at 1942,-2164 h40
  text "User USB" at 1185,-2182 h40
Bottom Overlay:
  drawing of 453 lines, arcs and shapes, not listed
  text "RESERVED" at 646,2974 h40
  text "DEFAULT" at 215,2972 h40
  text "JP1" at 993,2811 h40
  text "CN1" at 1517,2777 h40
  text "CN3" at 2255,2696 h40
  text "CN2" at -253,2688 h40
  text "SMD" at -175,2554.51 h40 r90
  text "CN4" at 342,2477 h40
  text "SWO" at 1229,2395 h40 r90
  text "MCO" at 1290,2395 h40 r90
  text "STLK_RST" at -177,2385 h36 r90
  text "NRST" at 222,2372 h40 r90
  text "MCU_RST" at 24,2349 h36 r90
  text "TX" at 457,2268 h40
  text "RST" at 224,2206 h40 r90
  text "RX" at 447,2179 h40
  text "JP3" at 141,2098 h40
  text "JP2" at -224,2097 h40
  text "CN5" at -52.49,2097 h40
  text "CN6" at 356,2096 h40
  text "CN11" at -169.49,1878 h40
  text "JP6" at 1605,1877 h40
  text "CN12" at 2231.51,1871 h40
  text "CN7" at 1823.51,1836 h40
  text "PC8" at 2312,1823 h28 r45
  text "PWR Source" at 1600,1818 h40
  text "PC11" at -52.49,1783 h28
  text "PC9" at 2051,1774 h28
  text "PC10" at -345,1732 h28 r315
  text "PC6" at 2318,1732 h28 r45
  text "JP5" at 1001,1715 h40
  text "PD2" at -70,1679 h28
  text "PB8" at 2051,1674 h28
  text "PC12" at -346,1646 h28 r315
  text "PC5" at 2319,1628 h28 r45
  text "JP4" at 536,1627 h40
  text "E5V" at -70,1577 h28
  text "PB9" at 2051,1574 h28
  text "VDD" at -362,1569 h28 r315
  text "VREF+" at 1991,1541 h28 r135
  text "U5V" at 2315,1523 h28 r45
  text "GND" at -70,1479 h28
  text "BT0" at -365,1474 h28 r315
  text "CN8" at 147.51,1467 h40
  text "PD8" at 2315,1426 h28 r45
  text "PF6" at -362,1374 h28 r315
  text "GND" at 2051,1374 h28
  text "NC" at -105,1373 h28
  text "PA12" at 2319,1310 h28 r45
  text "+3V3" at -44,1279 h28
  text "PA5" at 2051,1274 h28
  text "PF7" at -362,1270 h28 r315
  text "PA11" at 2308,1202 h28 r45
  text "PA6" at 2051,1174 h28
  text "NRST" at -46,1172 h28
  text "PA13" at -346,1143 h28 r315
  text "PB12" at 2312,1103 h28 r45
  text "3V3" at -70,1079 h28
  text "PA7" at 2051,1074 h28
  text "PA14" at -346,1042 h28 r315
  text "PB11" at 2314,1004 h28 r45
  text "+5V" at -70,977 h28
  text "PB6" at 2051,974 h28
  text "PA15" at -346,944 h28 r315
  text "GND" at 2319,923 h28 r45
  text "GND" at -70,880 h28
  text "PC7" at 2051,874 h28
  text "GND" at -362,873 h28 r315
  text "PB2" at 2314,823 h28 r45
  text "GND" at -70,780 h28
  text "PA9" at 2051,774 h28
  text "PB7" at -362,773 h28 r315
  text "PB1" at 2308,716 h28 r45
  text "VIN" at -76,675 h28
  text "PA8" at 2051,674 h28
  text "PC13" at -346,647 h28 r315
  text "PB15" at 2312,610 h28 r45
  text "PB10" at 2051,574 h28
  text "CN9" at 121.51,567 h40
  text "PC14" at -346,544 h28 r315
  text "PB14" at 2314,507 h28 r45
  text "PA0" at -70,481 h28
  text "PB4" at 2051,474 h28
  text "PC15" at -353,452 h28 r315
  text "PB13" at 2320,412 h28 r45
  text "PA1" at -82,379 h28
  text "PB5" at 2051,374 h28
  text "OSCI" at -346,345 h28 r315
  text "AGND" at 2322.6,320 h28 r45
  text "PA4" at -69.99,283 h28
  text "PB3" at 2051,274 h28
  text "OSCO" at -346,245 h28 r315
  text "MCO" at 1091,233 h40 r90
  text "PC4" at 2313,229 h28 r45
  text "PB0" at -70,179 h28
  text "PA10" at 2051,174 h28
  text "VBAT" at -346,144 h28 r315
  text "PF5" at 2317,121 h28 r45
  text "PC1" at -82,76 h28
  text "PA2" at 2051,74 h28
  text "PC2" at -362,62 h28 r315
  text "PF4" at 2315,25 h28 r45
  text "PC0" at -70,-22 h28
  text "PA3" at 2051,-26 h28
  text "PC3" at -362,-40 h28 r315
  text "PE8" at 2313,-80 h28 r45
  text "PD3" at -70,-123 h28
  text "GND" at 2051,-126 h28
  text "PD4" at -365,-128 h28 r315
  text "PF10" at 2323,-179 h28 r45
  text "PG2" at -70,-223 h28
  text "PD13" at 2051,-226 h28
  text "PD5" at -366,-227 h28 r315
  text "PE7" at 2315,-282 h28 r45
  text "PG3" at -70,-320 h28
  text "PD6" at -366,-326 h28 r315
  text "PD12" at 2051,-326 h28
  text "PD14" at 2321,-382 h28 r45
  text "PE2" at -70,-422 h28
  text "PD7" at -368,-423 h28 r315
  text "PD11" at 2051,-426 h28
  text "PD15" at 2315,-487 h28 r45
  text "PE4" at -69.99,-517 h28
  text "PE3" at -367,-525 h28 r315
  text "PE10" at 2051,-526 h28
  text "PF14" at 2317,-586 h28 r45
  text "GND" at -365,-621 h28 r315
  text "PE12" at 2051,-626 h28
  text "PE5" at -70,-628 h28
  text "PF1" at -364,-676 h28 r315
  text "PE9" at 2315,-682 h28 r45
  text "PF2" at -70,-722 h28
  text "PE14" at 2051,-726 h28
  text "PH1" at -362,-728 h28 r315
  text "PF0" at -367,-777 h28 r315
  text "GND" at 2315,-781 h28 r45
  text "PF8" at -70,-822 h28
  text "PE15" at 2051,-826 h28
  text "PH0" at -362,-848 h28 r315
  text "PE11" at 2320,-878 h28 r45
  text "PF9" at -70,-922 h28
  text "PD1" at -362,-925 h28 r315
  text "PE13" at 2051,-926 h28
  text "PF3" at 2318,-977 h28 r45
  text "CN10" at 1781.51,-1012 h40
  text "PD0" at -362,-1027 h28 r315
  text "PF13" at 2051,-1028 h28
  text "PG1" at -82,-1029 h28
  text "PF15" at 2321,-1085 h28 r45
  text "GND" at -70,-1122 h28
  text "PF12" at 2051,-1126 h28
  text "PG0" at -364,-1128 h28 r315
  text "PF11" at 2314,-1188 h28 r45
  text "PE6" at -70,-1223 h28
  text "PG14" at 2051,-1226 h28
  text "PE1" at -365,-1228 h28 r315
  text "PE0" at 2315,-1276 h28 r45
  text "PG15" at -40.83,-1317 h28
  text "GND" at 2051,-1326 h28
  text "PG9" at -364,-1330 h28 r315
  text "PG8" at 2313,-1380 h28 r45
  text "PG10" at -40.83,-1417 h28
  text "PD10" at 2051,-1426 h28
  text "PG12" at -346,-1457 h28 r315
  text "PG5" at 2319,-1472 h28 r45
  text "PG13" at -40.83,-1518 h28
  text "PG7" at 2051,-1526 h28
  text "PH2" at -362,-1527 h28 r315
  text "PG6" at 2318,-1571 h28 r45
  text "PG11" at -40.83,-1613 h28
  text "PG4" at 2051,-1626 h28
  text "PD9" at -362,-1630 h28 r315
  text "CN13" at 551.51,-1937 h40
  text "CN14" at 1350.51,-2176 h40
Mechanical 1:
  lines w5: -427.95,-2121.26 -427.95,2045.67 182.29,2045.66 ccw(c182.29,2065.35) 182.29,2085.03 -427.95,2085.03 -427.95,2970.86 cw(c-349.21,2970.86) -349.21,3049.6 2249.22,3049.6 cw(c2249.22,2970.86) 2327.96,2970.86 ; -427.8,-2121.22 ccw(c-349.06,-2121.22) -349.06,-2199.96 ; -349.21,-2200 2249.21,-2200 ; 2249.22,-2199.8 ccw(c2249.22,-2121.06) 2327.96,-2121.06 ; 2327.96,-2121.26 2327.96,2045.66 1698.03,2045.66 cw(c1698.03,2065.35) 1698.03,2085.03 2327.96,2085.03 2327.96,2970.86 ; 2327.96,2970.86 2327.96,2970.86 ; 320.08,2045.66 cw(c320.08,2065.35) 320.08,2085.03 1068.11,2085.03 cw(c1068.11,2065.35) 1068.11,2045.66 320.08,2045.66 ; 1250,2045.66 cw(c1250,2065.35) 1250,2085.03 1538.59,2085.03 cw(c1538.59,2065.35) 1538.59,2045.66 1250,2045.66
Drill Drawing:
  rectangle: 4947.07,1784.93 5591.07,1801.93
  rectangle: 4945.98,1419.52 5589.98,1436.52
  rectangle: 4947.83,2040.48 5591.83,2057.48
  rectangle: 4947.83,1900.41 5591.83,1917.41
  rectangle: 4947.83,1664.19 5591.83,1681.19
  rectangle: 4947.07,1548.71 5591.07,1565.71
  lines w5: -349.37,-2200.04 1040,-2200.04 1040,-1825.16 1598,-1825.16 1598,-2200.04 2249.06,-2200.04 ; -349.21,-2200 cw(c-349.21,-2121.26) -427.95,-2121.26 -427.95,2045.67 182.28,2045.67 ccw(c182.28,2065.35) 182.28,2085.04 -427.95,2085.04 -427.95,2970.87 cw(c-349.21,2970.87) -349.21,3049.61 2249.21,3049.61 cw(c2249.21,2970.87) 2327.95,2970.87 ; 2249.06,-2199.84 ccw(c2249.06,-2121.1) 2327.8,-2121.1 ; 2327.95,-2121.26 2327.95,2045.67 1698.03,2045.67 cw(c1698.03,2065.35) 1698.03,2085.04 2327.95,2085.04 2327.95,2970.87 ; 3861,3847 3881,3847 ; 2327.95,2970.87 2327.95,2970.87 ; 320.08,2045.67 cw(c320.08,2065.35) 320.08,2085.04 1068.11,2085.04 cw(c1068.11,2065.35) 1068.11,2045.67 320.08,2045.67 ; 1250,2045.67 cw(c1250,2065.35) 1250,2085.04 1538.58,2085.04 cw(c1538.58,2065.35) 1538.58,2045.67 1250,2045.67
  lines w7: 5130.43,1596.54 4992.43,1596.54 4992.43,1635.54 5169.43,1635.54 ; 5130.43,1832.76 4992.43,1832.76 4992.43,1871.76 5169.43,1871.76 ; 5169.43,1596.54 5346.43,1596.54 ; 5169.43,1832.76 5346.43,1832.76 ; 5228.43,1635.54 5366.43,1635.54 ; 5228.43,1871.76 5366.43,1871.76 ; 5386.43,1596.54 5543.43,1596.54 5543.43,1635.54 5425.43,1635.54 ; 5386.43,1832.76 5543.43,1832.76 5543.43,1871.76 5425.43,1871.76
  lines w8: 5012.94,1154.53 5590.08,1154.53 ; 5012.94,1237.03 5589.3,1237.03
  lines w10: 3606,3547 6001,3547 ; 3606,3647 5602,3647 6002,3647 6002,3648 ; 3606,3747 5602,3747 6002,3747 6002,3748 ; 4086,3449 4086,3847 ; 4166.24,2703.49 5829.24,2703.49 ; 4406,3449 4406,3847 ; 4806,3449 4806,3847 ; 4980.74,1956.48 5547.66,1956.48 ; 4980.74,2001.41 5547.66,2001.41 ; 4985.88,1706.84 5552.81,1706.84 ; 4985.88,1751.77 5552.81,1751.77 ; 4997.69,1474.55 5564.62,1474.55 ; 4997.69,1519.48 5564.62,1519.48 ; 5602,3449 3606,3449 3606,3847 5602,3847 ; 5602,3449 5602,3847 ; 5602,3449 6002,3449 6002,3847 5602,3847 ; 3514.92,951.02 6389.92,951.02 6389.92,2939.2 3514.92,2939.2 3514.92,951.02
  text "IMPEDANCE TABLE" at 3612,3909 h49.21
  text "LAYER" at 3685,3772 h49.21
  text "WIDTH" at 4143,3772 h49.21
  text "Clearance" at 4465,3772 h49.21
  text "TOLERANCE" at 5611,3771 h49.21
  text "Differential Impedence" at 4859,3769.66 h49.21
  text "Layer1,6" at 3685,3683 h49.21
  text "5.1mil" at 4132,3670 h49.21
  text "9.9mil" at 4512,3668 h49.21
  text "100 OHM" at 5004,3668 h49.21
  text "+/- 10%" at 5646,3668 h49.21
  text "Layer1,6" at 3685,3571.34 h49.21
  text "90 OHM" at 5011,3571.34 h49.21
  text "+/- 10%" at 5630,3571.34 h49.21
  text "6.1mil" at 4132,3569 h49.21
  text "8.9mil" at 4512,3569 h49.21
  text "MB1137 B" at -227,3077 h60
  text "LAYER STACK CONFIGURATION" at 4414.31,2737.68 h49.21
  text "6 LAYER BUILD" at 4602.95,2453.99 h49.21
  text "0.7mil" at 5839.25,2034.72 h39.37
  text "TOP LAYER" at 4215.1,2017.94 h49.21
  text "4mil" at 5621.18,1960.86 h39.37
  text "1.4mil" at 5839.25,1892.98 h39.37
  text "GND" at 4215.1,1885 h49.21
  text "13mil" at 5621.18,1833.93 h39.37
  text "MID LAYER 1" at 4215.1,1768.89 h49.21
  text "1.4mil" at 5837.72,1765.98 h39.37
  text "16.5mil" at 5621.18,1712.83 h39.37
  text "1.4mil" at 5839.69,1653.77 h39.37
  text "PWR" at 4215.1,1647.87 h49.21
  text "13mil" at 5621.18,1598.65 h39.37
  text "1.4mil" at 5839.69,1541.57 h39.37
  text "GND" at 4215.1,1537.63 h49.21
  text "4mil" at 5621.18,1478.57 h39.37
  text "0.7mil" at 5839.69,1417.55 h39.37
  text "BOTTOM LAYER" at 4215.1,1405.74 h49.21
  text "63mil" at 5068.87,1178.78 h49.21
  text "(plus soldermask thickness)" at 5400.71,1173.46 h49.21
  text "TOTAL BOARD THICKNESS: APPROX" at 3787.77,1172.91 h49.21
  text "Notes" at 4772.78,801.28 h49.21
  text "Silkscreen color : Blue ink PANTONE 2955" at 4987,681 h49.21
  text "Solder resist color : White" at 4991,596 h49.21
  text ".Legend" at 3703.99,-1199 h60

## Dimensions
-427.95,-2121.26 to 2327.95,-2121.26 on Drill Drawing
2249.21,3049.61 to 2249.06,-2200.04 on Drill Drawing

## Text inside footprints (layer, text, board x,y; h text height)
CN1: Mechanical 1 "Board edge" at 1280,3042.66 h7.87 r180
U10: Top Overlay "1" at 872.09,1287.7 h16; Top Overlay "3" at 895.69,1287.7 h16; Top Overlay "E" at 836.97,1335.1 h16; Top Overlay "A" at 834.69,1376.1 h16
U15: Bottom Overlay "A" at 647,1358 h16; Bottom Overlay "C" at 647,1320 h16; Bottom Overlay "3" at 574,1398 h16; Bottom Overlay "1" at 612.6,1398 h16
U16: Bottom Overlay "A" at 946.69,1362.26 h16; Bottom Overlay "C" at 946.69,1324.26 h16; Bottom Overlay "3" at 873.69,1402.26 h16; Bottom Overlay "1" at 912.29,1402.26 h16